# KiCad board pi60_v1.1.kicad_pcb (continued)
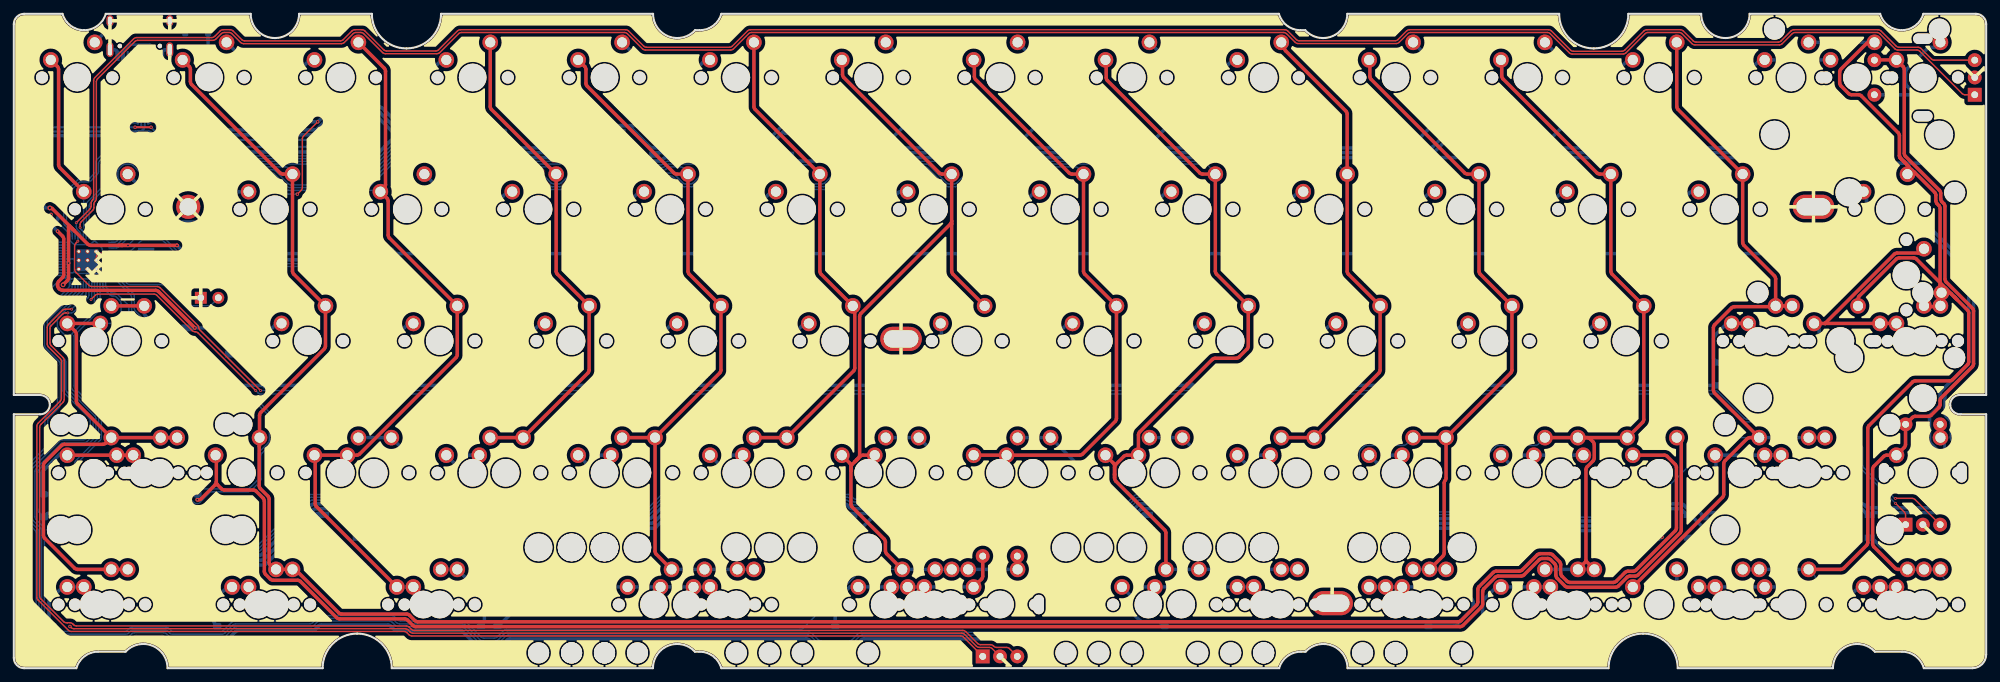
[diagram p0: board, top side]
## Routing (per net, layer and track width the routed paths; a pad name or vN(x,y) marks a point on that pad's centre or on a via; arc(x,y) is an arc through that point) (continued)
SW1_A: length 312.7
  Top w0.2: v2(9.57,63.73) 9.57,64.15 arc(9.61,64.35) 9.73,64.53 11.41,66.21 arc(11.53,66.39) 11.57,66.59 11.57,67.1 arc(11.61,67.3) 11.73,67.48 11.77,67.52 arc(11.89,67.7) 11.93,67.9 11.93,84.81 arc(11.97,85.02) 12.09,85.2 17.49,90.61 arc(17.67,90.73) 17.88,90.77 28.79,90.77 arc(29,90.81) 29.17,90.93 29.99,91.74 arc(30.17,91.86) 30.38,91.9 31.11,91.9 arc(31.31,91.86) 31.49,91.74 32.78,90.45 arc(32.96,90.34) 33.17,90.3 47.37,90.3 arc(47.57,90.34) 47.75,90.45 49.04,91.74 arc(49.22,91.86) 49.43,91.9 50.16,91.9 arc(50.36,91.86) 50.54,91.74 53.29,88.99 arc(53.47,88.88) 53.68,88.84 61.15,88.84 arc(61.35,88.88) 61.53,88.99 64.28,91.74 arc(64.46,91.86) 64.67,91.9 88.26,91.9 arc(88.46,91.86) 88.64,91.74 90.86,89.52 arc(91.04,89.41) 91.25,89.36 103.59,89.36 arc(103.79,89.41) 103.97,89.52 106.19,91.74 arc(106.37,91.86) 106.58,91.9 183.51,91.9 arc(183.71,91.86) 183.89,91.74 185.17,90.46 arc(185.35,90.35) 185.56,90.31 199.78,90.31 arc(199.98,90.35) 200.16,90.46 201.44,91.74 arc(201.62,91.86) 201.83,91.9 221.61,91.9 arc(221.81,91.86) 221.99,91.74 224.79,88.94 arc(224.97,88.83) 225.18,88.79 232.55,88.79 arc(232.75,88.83) 232.93,88.94 235.73,91.74 arc(235.91,91.86) 236.12,91.9 240.66,91.9 arc(240.86,91.86) 241.04,91.74 242.51,90.27 arc(242.69,90.15) 242.9,90.11 255.14,90.11 arc(255.34,90.15) 255.52,90.27 256.99,91.74 arc(257.17,91.86) 257.38,91.9 269.23,91.9 arc(269.44,91.86) 269.62,91.74 271.84,89.52 arc(272.01,89.41) 272.22,89.36 275.01,89.36 arc(275.22,89.32) 275.39,89.2 281.54,83.06 arc(281.72,82.94) 281.92,82.9 SW1.A
  Bottom w0.2: U1.6 10.05,63 arc(10.03,63.1) 9.98,63.17 9.97,63.19 ; 9.69,63.47 9.86,63.29 ; 9.97,63.19 9.86,63.29 ; 9.97,63.19 9.86,63.29 ; 9.86,63.29 9.56,63.59 arc(9.55,63.62) 9.54,63.65 9.54,63.67 arc(9.54,63.69) 9.56,63.71 v2(9.57,63.73)
SW1_B: length 311.2
  Top w0.2: SW1.B 277.49,87.9 arc(277.28,87.94) 277.1,88.06 275.56,89.6 arc(275.38,89.72) 275.17,89.76 272.39,89.76 arc(272.18,89.81) 272,89.92 269.78,92.14 arc(269.6,92.26) 269.4,92.3 257.21,92.3 arc(257.01,92.26) 256.83,92.14 255.36,90.67 arc(255.18,90.55) 254.97,90.51 243.06,90.51 arc(242.86,90.55) 242.68,90.67 241.21,92.14 arc(241.03,92.26) 240.82,92.3 235.95,92.3 arc(235.74,92.26) 235.57,92.14 232.77,89.34 arc(232.59,89.23) 232.38,89.18 225.34,89.18 arc(225.13,89.23) 224.96,89.34 222.16,92.14 arc(221.98,92.26) 221.77,92.3 201.66,92.3 arc(201.45,92.26) 201.28,92.14 200,90.86 arc(199.82,90.75) 199.61,90.7 185.72,90.7 arc(185.51,90.75) 185.34,90.86 184.06,92.14 arc(183.88,92.26) 183.67,92.3 106.41,92.3 arc(106.2,92.26) 106.03,92.14 103.8,89.92 arc(103.63,89.81) 103.42,89.76 91.41,89.76 arc(91.2,89.81) 91.03,89.92 88.81,92.14 arc(88.63,92.26) 88.42,92.3 64.5,92.3 arc(64.29,92.26) 64.12,92.14 61.37,89.39 arc(61.19,89.28) 60.98,89.23 53.84,89.23 arc(53.63,89.28) 53.46,89.39 50.71,92.14 arc(50.53,92.26) 50.32,92.3 49.26,92.3 arc(49.05,92.26) 48.88,92.14 47.59,90.85 arc(47.41,90.74) 47.2,90.69 33.33,90.69 arc(33.12,90.74) 32.95,90.85 31.66,92.14 arc(31.48,92.26) 31.27,92.3 30.21,92.3 arc(30,92.26) 29.83,92.14 29.01,91.33 arc(28.83,91.21) 28.62,91.17 17.71,91.17 arc(17.51,91.12) 17.33,91.01 11.69,85.36 arc(11.57,85.19) 11.53,84.98 11.53,68.07 arc(11.49,67.86) 11.37,67.68 11.33,67.65 arc(11.21,67.47) 11.17,67.26 11.17,66.78 arc(11.13,66.57) 11.01,66.39 v2(9.02,64.4)
  Bottom w0.2: U1.5 9.65,62.71 arc(9.61,62.92) 9.49,63.1 9.18,63.41 arc(9.06,63.59) 9.02,63.8 v2(9.02,64.4)
SW1_S2: length 27.7
  Bottom w0.5: 275.42,82.9 275.05,82.9 arc(274.84,82.94) 274.67,83.06 273.52,84.21 arc(273.4,84.38) 273.36,84.59 273.36,86.21 arc(273.4,86.42) 273.52,86.59 276.52,89.59 arc(276.69,89.71) 276.9,89.75 277.55,89.75 arc(277.76,89.79) 277.94,89.91 278.39,90.36 ; 275.42,82.9 275.78,82.9 ; 275.42,82.9 arc(275.37,82.9) 275.31,82.9 ; 275.78,82.9 276.96,82.9 arc(277.16,82.86) 277.34,82.74 282.56,77.52 ; 275.78,82.9 275.31,82.9 ; 275.31,82.9 SW1.S2
SW2_A: length 281
  Top w0.2: v2(11.15,53.3) 11.77,53.92 arc(11.95,54.03) 12.16,54.08 20.27,54.08 arc(20.48,54.03) 20.66,53.92 25.77,48.8 arc(25.95,48.69) 26.15,48.65 26.21,48.65 arc(26.42,48.6) 26.59,48.49 v2(34.96,40.12) ; v2(271.9,23.84) 273.19,22.54 arc(273.31,22.36) 273.35,22.16 SW2.A
  Bottom w0.2: U1.34 11.25,53.47 arc(11.24,53.4) 11.2,53.35 v2(11.15,53.3) ; v2(271.9,23.84) 271.89,23.84 arc(271.89,23.84) 271.89,23.84 266.91,28.83 arc(266.79,29) 266.75,29.21 266.75,31.65 arc(266.7,31.86) 266.59,32.04 263.18,35.44 arc(263.01,35.56) 262.8,35.6 250.25,35.6 arc(250.05,35.64) 249.87,35.76 246.15,39.48 arc(245.98,39.6) 245.77,39.64 35.67,39.64 arc(35.46,39.68) 35.28,39.8 v2(34.96,40.12)
SW2_B: length 291.6
  Top w0.2: v2(9.25,61.73) 8.94,61.42 arc(8.82,61.24) 8.78,61.03 8.78,57.65 arc(8.82,57.44) 8.94,57.26 10.87,55.33 arc(11.04,55.22) 11.25,55.17 20.73,55.17 arc(20.94,55.13) 21.11,55.02 26.59,49.54 arc(26.68,49.41) 26.71,49.25 arc(26.74,49.09) 26.83,48.96 v2(35.65,40.14) ; SW2.B 274.71,24.39 arc(274.54,24.51) 274.33,24.55 v2(271.89,24.55)
  Bottom w0.2: v2(9.25,61.73) U1.4 ; v2(35.65,40.14) 245.83,40.14 arc(246.04,40.1) 246.22,39.98 250.03,36.16 arc(250.21,36.04) 250.42,36 262.96,36 arc(263.17,35.96) 263.35,35.84 266.99,32.2 arc(267.1,32.03) 267.15,31.82 267.15,29.38 arc(267.19,29.17) 267.31,28.99 271.7,24.6 arc(271.75,24.56) 271.82,24.55 v2(271.89,24.55)
SW3_A: length 190.7
  Top w0.2: SW3.A 137.2,4.5 arc(137.03,4.61) 136.82,4.66 57.5,4.66 arc(57.29,4.7) 57.12,4.82 56.78,5.15 arc(56.61,5.26) 56.4,5.31 8.27,5.31 arc(8.07,5.35) 7.89,5.47 3.56,9.79 arc(3.56,9.79) 3.56,9.79 3.44,9.91 arc(3.36,10.04) 3.33,10.19 3.33,35.01 arc(3.37,35.21) 3.49,35.39 6.72,38.62 arc(6.84,38.8) 6.88,39.01 6.88,44.35 arc(6.84,44.56) 6.72,44.74 4.99,46.47 arc(4.87,46.64) 4.83,46.85 4.83,49.3 arc(4.87,49.51) 4.99,49.68 7.04,51.74 arc(7.22,51.86) 7.43,51.9 v2(8.34,51.9)
  Bottom w0.2: U1.36 10.45,54.24 arc(10.41,54.03) 10.29,53.85 v2(8.34,51.9)
SW3_B: length 195.1
  Top w0.2: v2(7.8,51.36) 7.46,51.36 arc(7.25,51.32) 7.07,51.2 5.39,49.52 arc(5.27,49.34) 5.23,49.13 5.23,47.02 arc(5.27,46.81) 5.39,46.63 7.12,44.9 arc(7.24,44.73) 7.28,44.52 7.28,38.84 arc(7.24,38.63) 7.12,38.46 3.89,35.22 arc(3.77,35.05) 3.73,34.84 3.73,10.42 arc(3.77,10.21) 3.89,10.04 7.21,6.71 arc(7.36,6.61) 7.54,6.57 7.74,6.57 8.11,6.58 arc(8.32,6.53) 8.49,6.42 8.64,6.27 arc(8.82,6.15) 9.03,6.11 56.73,6.11 arc(56.94,6.06) 57.12,5.95 57.45,5.62 arc(57.62,5.5) 57.83,5.46 137.15,5.46 arc(137.36,5.41) 137.54,5.3 139.27,3.56 arc(139.45,3.44) 139.66,3.4 141.14,3.4 arc(141.35,3.36) 141.53,3.24 141.61,3.16 arc(141.78,3.04) 141.99,3 143.48,3 arc(143.68,2.96) 143.86,2.84 SW3.B
  Bottom w0.2: v2(7.8,51.36) 8.29,51.36 arc(8.49,51.4) 8.67,51.52 10.69,53.54 arc(10.81,53.72) 10.85,53.93 U1.35
V_1: length 12.2
  Bottom w0.5: K104.1 101.75,29.63 arc(101.87,29.46) 101.91,29.25 101.91,28.26 ; D49.2 102.07,26.28 arc(101.95,26.46) 101.91,26.67 101.91,27.91 ; K56.1 103.64,30.79 arc(103.43,30.75) 103.25,30.63 102.07,29.44 arc(101.95,29.27) 101.91,29.06 101.91,28.38 ; 101.91,27.91 101.91,28.26 ; 101.91,27.91 101.91,28.38 ; 101.91,28.26 arc(101.91,28.32) 101.91,28.38
X_1: length 10.9
  Bottom w0.5: K54.1 65.54,30.79 arc(65.33,30.75) 65.15,30.63 63.87,29.35 ; D47.2 63.97,26.28 arc(63.85,26.46) 63.81,26.67 63.81,29.19 ; 63.87,29.35 arc(63.83,29.34) 63.81,29.38 ; 63.87,29.35 arc(63.82,29.28) 63.81,29.19 ; 63.81,29.19 63.81,29.38 ; K102.1 63.74,29.54 arc(63.79,29.47) 63.81,29.38
Z_2: length 14.7
  Bottom w0.5: K101.2 K53.2 58.31,29.57 arc(58.43,29.4) 58.47,29.19 58.47,25.86 arc(58.43,25.66) 58.31,25.48 D46.2
Net-(D1-A): length 13.7
  Bottom w0.5: D1.2 13.38,91.95 arc(13.18,91.91) 13,91.79 K1.2
Net-(D2-A): length 10
  Bottom w0.5: D2.2 34.5,82.63 arc(34.61,82.81) 34.66,83.01 34.66,86.34 arc(34.61,86.55) 34.5,86.72 K2.2
Net-(D3-A): length 6.6
  Bottom w0.5: 42.77,87.94 40.96,86.13 arc(40.84,85.95) 40.8,85.74 40.8,83.01 arc(40.84,82.81) 40.96,82.63 D3.2
Net-(D4-A): length 6.6
  Bottom w0.5: D4.2 60.01,82.63 arc(59.89,82.81) 59.85,83.01 59.85,85.74 arc(59.89,85.95) 60.01,86.13 61.82,87.94
Net-(D5-A): length 10
  Bottom w0.5: D5.2 91.65,82.63 arc(91.76,82.81) 91.81,83.01 91.81,86.34 arc(91.76,86.55) 91.65,86.72 K5.2
Net-(D6-A): length 6.6
  Bottom w0.5: D6.2 98.11,82.63 arc(97.99,82.81) 97.95,83.01 97.95,85.74 arc(97.99,85.95) 98.11,86.13 99.92,87.94
Net-(D7-A): length 10
  Bottom w0.5: D7.2 129.75,82.63 arc(129.86,82.81) 129.91,83.01 129.91,86.34 arc(129.86,86.55) 129.75,86.72 K7.2
Net-(D8-A): length 10
  Bottom w0.5: K8.2 148.8,86.72 arc(148.91,86.55) 148.96,86.34 148.96,83.01 arc(148.91,82.81) 148.8,82.63 D8.2
Net-(D9-A): length 10
  Bottom w0.5: K9.2 167.85,86.72 arc(167.96,86.55) 168.01,86.34 168.01,83.01 arc(167.96,82.81) 167.85,82.63 D9.2
Net-(D10-A): length 6.6
  Bottom w0.5: D10.2 174.31,82.63 arc(174.19,82.81) 174.15,83.01 174.15,85.74 arc(174.19,85.95) 174.31,86.13 176.12,87.94
Net-(D11-A): length 10
  Bottom w0.5: K11.2 205.95,86.72 arc(206.06,86.55) 206.11,86.34 206.11,83.01 arc(206.06,82.81) 205.95,82.63 D11.2
Net-(D12-A): length 10
  Bottom w0.5: K12.2 225,86.72 arc(225.11,86.55) 225.16,86.34 225.16,83.01 arc(225.11,82.81) 225,82.63 D12.2
Net-(D13-A): length 6.6
  Bottom w0.5: D13.2 231.46,82.63 arc(231.34,82.81) 231.3,83.01 231.3,85.74 arc(231.34,85.95) 231.46,86.13 233.27,87.94
Net-(D16-A): length 16.1
  Bottom w0.5: 29.26,63.24 28.16,64.34 arc(27.98,64.46) 27.77,64.5 23.58,64.5 arc(23.37,64.54) 23.19,64.66 17.27,70.58 arc(17.27,70.58) 17.27,70.58 16.45,71.4
Net-(D17-A): length 7.8
  Bottom w0.5: D17.2 31.43,63.58 arc(31.31,63.76) 31.27,63.96 31.27,67.61 arc(31.31,67.82) 31.43,68 32.17,68.73 arc(32.34,68.85) 32.55,68.89 K18.1
Net-(D18-A): length 10
  Bottom w0.5: D18.2 63.07,63.58 arc(63.19,63.76) 63.23,63.96 63.23,67.29 arc(63.19,67.5) 63.07,67.67 K19.2
Net-(D19-A): length 6.6
  Bottom w0.5: D19.2 69.53,63.58 arc(69.41,63.76) 69.37,63.96 69.37,66.69 arc(69.41,66.9) 69.53,67.08 71.34,68.89
Net-(D20-A): length 6.6
  Bottom w0.5: D20.2 88.58,63.58 arc(88.46,63.76) 88.42,63.96 88.42,66.69 arc(88.46,66.9) 88.58,67.08 90.39,68.89
Net-(D21-A): length 6.6
  Bottom w0.5: 109.44,68.89 107.63,67.08 arc(107.51,66.9) 107.47,66.69 107.47,63.96 arc(107.51,63.76) 107.63,63.58 D21.2
Net-(D22-A): length 7.6
  Bottom w0.5: D22.2 126.68,63.58 arc(126.56,63.76) 126.52,63.96 126.52,67.27 arc(126.56,67.47) 126.68,67.65 127.76,68.73 arc(127.94,68.85) 128.15,68.89 K23.1
Net-(D23-A): length 6.6
  Bottom w0.5: 147.54,68.89 145.73,67.08 arc(145.61,66.9) 145.57,66.69 145.57,63.96 arc(145.61,63.76) 145.73,63.58 D23.2
Net-(D24-A): length 6.6
  Bottom w0.5: 166.59,68.89 164.78,67.08 arc(164.66,66.9) 164.62,66.69 164.62,63.96 arc(164.66,63.76) 164.78,63.58 D24.2
Net-(D25-A): length 6.6
  Bottom w0.5: D25.2 183.83,63.58 arc(183.71,63.76) 183.67,63.96 183.67,66.69 arc(183.71,66.9) 183.83,67.08 185.64,68.89
Net-(D26-A): length 6.6
  Bottom w0.5: 204.69,68.89 202.88,67.08 arc(202.76,66.9) 202.72,66.69 202.72,63.96 arc(202.76,63.76) 202.88,63.58 D26.2
Net-(D27-A): length 6.6
  Bottom w0.5: D27.2 221.93,63.58 arc(221.81,63.76) 221.77,63.96 221.77,66.69 arc(221.81,66.9) 221.93,67.08 223.74,68.89
Net-(D28-A): length 7.6
  Bottom w0.5: K29.1 242.53,68.89 arc(242.32,68.85) 242.14,68.73 240.98,67.57 arc(240.86,67.39) 240.82,67.19 240.82,63.96 arc(240.86,63.76) 240.98,63.58 D28.2
Net-(D29-A): length 6.7
  Bottom w0.5: D29.2 267.55,65.65 arc(267.67,65.83) 267.71,66.04 267.71,68.89
Net-(D31-A): length 6.6
  Bottom w0.5: 38,49.84 36.19,48.03 arc(36.08,47.85) 36.03,47.64 36.03,44.91 arc(36.08,44.71) 36.19,44.53 D31.2
Net-(D32-A): length 6.6
  Bottom w0.5: 57.05,49.84 55.24,48.03 arc(55.13,47.85) 55.08,47.64 55.08,44.91 arc(55.13,44.71) 55.24,44.53 D32.2
Net-(D33-A): length 6.6
  Bottom w0.5: D33.2 74.29,44.53 arc(74.18,44.71) 74.13,44.91 74.13,47.64 arc(74.18,47.85) 74.29,48.03 76.1,49.84
Net-(D34-A): length 6.6
  Bottom w0.5: D34.2 93.34,44.53 arc(93.23,44.71) 93.18,44.91 93.18,47.64 arc(93.23,47.85) 93.34,48.03 95.15,49.84
Net-(D35-A): length 6.6
  Bottom w0.5: 114.2,49.84 112.39,48.03 arc(112.28,47.85) 112.23,47.64 112.23,44.91 arc(112.28,44.71) 112.39,44.53 D35.2
Net-(D36-A): length 6.5
  Bottom w0.5: D36.2 133.87,46.28 arc(133.99,46.45) 134.03,46.66 134.03,49.74
Net-(D37-A): length 6.6
  Bottom w0.5: D37.2 150.49,44.53 arc(150.38,44.71) 150.33,44.91 150.33,47.65 arc(150.38,47.86) 150.49,48.03 152.3,49.84
Net-(D38-A): length 6.6
  Bottom w0.5: D38.2 169.54,44.53 arc(169.43,44.71) 169.38,44.91 169.38,47.64 arc(169.43,47.85) 169.54,48.03 171.35,49.84
Net-(D39-A): length 6.6
  Bottom w0.5: 190.4,49.84 188.59,48.03 arc(188.48,47.85) 188.43,47.64 188.43,44.91 arc(188.48,44.71) 188.59,44.53 D39.2
Net-(D40-A): length 6.6
  Bottom w0.5: D40.2 207.64,44.53 arc(207.53,44.71) 207.48,44.91 207.48,47.64 arc(207.53,47.85) 207.64,48.03 209.45,49.84
Net-(D41-A): length 6.6
  Bottom w0.5: D41.2 226.69,44.53 arc(226.58,44.71) 226.53,44.91 226.53,47.64 arc(226.58,47.85) 226.69,48.03 228.5,49.84
Net-(D57-A): length 9.1
  Bottom w0.4: 278.99,32.73 278.99,27.51 arc(279.04,27.3) 279.15,27.13 280.98,25.3 arc(281.16,25.18) 281.37,25.14 D57.2
Net-(D66-A): length 8.6
  Bottom w0.5: D66.2 240.45,6.96 arc(240.33,7.14) 240.29,7.34 K88.2
Net-(D69-DOUT): length 25.7
  Bottom w0.5: 23.51,18.91 24.23,18.91 arc(24.44,18.87) 24.62,18.75 28.31,15.06 arc(28.48,14.94) 28.69,14.9 29.07,14.9 36.06,14.9 arc(36.26,14.95) 36.44,15.06 43.58,22.2 arc(43.76,22.32) 43.96,22.36 44.55,22.36
Net-(D70-DOUT): length 19.9
  Bottom w0.5: 68.61,22.11 68.29,22.11 arc(68.08,22.07) 67.9,21.95 65.73,19.78 arc(65.56,19.67) 65.35,19.63 50.9,19.63 arc(50.69,19.58) 50.52,19.47 49.96,18.91
Net-(D71-DOUT): length 24.1
  Bottom w0.5: 95.15,22.36 94.95,22.36 arc(94.77,22.32) 94.61,22.22 92.78,20.39 arc(92.61,20.28) 92.4,20.24 83.31,20.24 arc(83.1,20.28) 82.93,20.39 81.82,21.5 arc(81.64,21.62) 81.43,21.66 76.49,21.66 arc(76.28,21.62) 76.1,21.5 73.51,18.91
Net-(D72-DOUT): length 16.8
  Bottom w0.5: 100.55,18.91 101.72,20.08 arc(101.9,20.2) 102.1,20.24 113.24,20.24 arc(113.45,20.28) 113.63,20.4 115.45,22.22 arc(115.61,22.32) 115.79,22.36 115.99,22.36
Net-(D73-DOUT): length 23.5
  Bottom w0.5: 121.14,18.91 123.73,21.5 arc(123.91,21.62) 124.11,21.66 131.42,21.66 arc(131.63,21.62) 131.81,21.5 132.92,20.39 arc(133.09,20.28) 133.3,20.24 138.83,20.24 arc(139.04,20.28) 139.21,20.39 141.02,22.2 arc(141.2,22.32) 141.41,22.36 142.15,22.36
Net-(D74-DOUT): length 19.7
  Bottom w0.5: 146.99,18.91 149.58,21.5 arc(149.76,21.62) 149.97,21.66 150.48,21.66 arc(150.69,21.62) 150.87,21.5 151.97,20.4 arc(152.15,20.28) 152.36,20.24 160.86,20.24 arc(161.07,20.28) 161.25,20.4 163.05,22.2 arc(163.23,22.32) 163.44,22.36 164.16,22.36
Net-(D75-DOUT): length 18
  Bottom w0.5: 169.01,18.91 170.17,20.08 arc(170.35,20.2) 170.56,20.24 182.89,20.24 arc(183.1,20.28) 183.28,20.4 185.09,22.21 arc(185.26,22.32) 185.46,22.36 185.68,22.36
Net-(D76-DOUT): length 22.5
  Bottom w0.5: 191.04,18.91 193.38,21.25 arc(193.56,21.37) 193.77,21.41 195.98,21.41 arc(196.19,21.37) 196.37,21.25 197.22,20.4 arc(197.4,20.28) 197.61,20.24 208.49,20.24 arc(208.7,20.28) 208.88,20.4 210.7,22.22 arc(210.86,22.32) 211.04,22.36 211.24,22.36
Net-(D77-DOUT): length 21.6
  Bottom w0.5: 216.63,18.91 217.44,19.72 arc(217.61,19.83) 217.82,19.88 233.54,19.88 arc(233.74,19.92) 233.92,20.03 236.09,22.2 arc(236.26,22.32) 236.47,22.36 236.91,22.36
Net-(D78-DIN): length 40.8
  Bottom w0.5: 26.82,78.32 27.16,77.98 arc(27.34,77.87) 27.55,77.82 43.51,77.82 arc(43.72,77.87) 43.9,77.98 46.18,80.26 arc(46.35,80.38) 46.56,80.42 52.58,80.42 arc(52.79,80.38) 52.97,80.26 55.35,77.88 arc(55.52,77.77) 55.73,77.72 65.39,77.72
Net-(D79-DIN): length 18
  Bottom w0.5: 87.5,77.64 87.15,77.64 arc(86.94,77.59) 86.77,77.48 83.97,74.68 arc(83.8,74.57) 83.59,74.52 70.79,74.52
Net-(D80-DIN): length 20.7
  Bottom w0.5: 112.28,77.72 111.58,77.72 arc(111.37,77.68) 111.2,77.57 108.31,74.68 arc(108.14,74.57) 107.93,74.52 92.81,74.52
Net-(D81-DIN): length 19.7
  Bottom w0.5: 117.15,74.52 131.74,74.52 arc(131.95,74.57) 132.12,74.68 135.02,77.58 arc(135.18,77.69) 135.37,77.72 135.56,77.72
Net-(D82-DIN): length 18.9
  Bottom w0.5: 155.65,76.78 153.55,74.68 arc(153.38,74.57) 153.17,74.52 140.96,74.52 ; 155.65,76.78 155.9,77.03 ; 155.65,76.78 155.99,77.12 ; 156.48,77.58 156.47,77.58 arc(156.46,77.58) 156.45,77.58 155.9,77.03 ; 155.9,77.03 arc(155.94,77.07) 155.99,77.12 ; 157.35,77.72 156.82,77.72 arc(156.61,77.68) 156.44,77.57 155.99,77.12
Net-(D83-DIN): length 21.3
  Bottom w0.5: 162.3,74.52 178.17,74.52 arc(178.38,74.57) 178.55,74.68 181.45,77.58 arc(181.61,77.69) 181.8,77.73 181.82,77.73 arc(181.99,77.69) 182.12,77.6 182.25,77.47
Net-(D84-DIN): length 23
  Bottom w0.5: 209.04,77.47 208.91,77.6 arc(208.77,77.69) 208.61,77.73 208.58,77.73 arc(208.39,77.69) 208.23,77.58 205.33,74.68 arc(205.16,74.57) 204.95,74.52 187.4,74.52
Net-(D85-DIN): length 23.1
  Bottom w0.5: 235.9,77.47 235.77,77.6 arc(235.63,77.69) 235.47,77.73 235.45,77.73 arc(235.26,77.69) 235.1,77.58 232.2,74.68 arc(232.03,74.57) 231.82,74.52 214.19,74.52
Net-(D86-DIN): length 23.7
  Bottom w0.5: 263.03,77.72 262.83,77.72 arc(262.64,77.69) 262.48,77.58 259.01,74.11 arc(258.83,73.99) 258.63,73.95 253.32,73.95 arc(253.11,73.99) 252.94,74.11 252.68,74.37 arc(252.51,74.48) 252.3,74.52 241.05,74.52
Net-(D87-DIN): length 82
  Bottom w0.5: 282.67,19.76 283.55,20.65 ; 282.67,19.76 282.42,19.51 ; 282.67,19.76 arc(282.71,19.8) 282.75,19.84 ; 282.75,19.84 283.55,20.64 arc(283.66,20.82) 283.7,21.02 283.7,29.16 arc(283.66,29.37) 283.55,29.55 280.13,32.97 arc(280.01,33.14) 279.97,33.35 279.97,35.46 arc(279.92,35.67) 279.81,35.84 279.2,36.45 arc(279.09,36.62) 279.04,36.83 279.04,39.4 arc(279.09,39.61) 279.2,39.78 283.02,43.6 arc(283.14,43.78) 283.18,43.98 283.18,57.17 arc(283.14,57.38) 283.02,57.56 274.44,66.13 arc(274.32,66.31) 274.28,66.52 274.28,67.45 arc(274.24,67.66) 274.12,67.83 268.34,73.61 arc(268.22,73.79) 268.18,74 268.18,74.27 ; 282.75,19.84 282.42,19.51 ; 282.42,19.51 280.57,17.66 arc(280.39,17.54) 280.18,17.5 270.06,17.5 arc(269.86,17.54) 269.68,17.66 268.43,18.91
Net-(D88-DIN): length 24.2
  Bottom w0.5: 263.28,22.11 262.13,22.11 arc(262.13,22.11) 262.13,22.11 257.65,17.63 arc(257.48,17.52) 257.27,17.47 249.5,17.47 arc(249.29,17.43) 249.11,17.32 248.76,16.96 arc(248.58,16.84) 248.37,16.8 246.18,16.8 arc(245.97,16.84) 245.79,16.96 244.05,18.7 arc(243.88,18.82) 243.67,18.86 D89.2
Net-(R5-Pad2): length 38.6
  Top w0.5: v1(6.32,63.18) 7.05,62.45 arc(7.16,62.27) 7.21,62.07 7.21,56.87 arc(7.16,56.66) 7.05,56.49 6.48,55.92 arc(6.36,55.74) 6.32,55.53 6.32,55.32 arc(6.36,55.11) 6.48,54.93 6.63,54.78 arc(6.8,54.67) 7.01,54.63 20.5,54.63 arc(20.71,54.58) 20.88,54.47 v1(26.16,49.19)
  Bottom w0.5: R5.2 5.4,64.03 arc(5.46,64.02) 5.51,63.99 v1(6.32,63.18) ; SW4.1 26.16,49.2 arc(26.16,49.2) 26.16,49.2 v1(26.16,49.19) 25.06,49.19
Net-(U1-USB_DM): length 3.2
  Bottom w0.2: U1.46 4.55,57.57 arc(4.37,57.53) 4.21,57.43 R2.2
Net-(U1-USB_DP): length 3.2
  Bottom w0.2: R1.2 4.2,58.1 arc(4.35,58) 4.53,57.97 U1.47

## Copper pours and planes (outline as drawn; the poured copper is in the pictures)
GND on Top, Bottom: 285.38,-0.33 -0.37,-0.33 -0.37,94.92 285.38,94.92
Net-(D19-A) on Bottom: 70.33,67.53 70.5,67.67 70.65,67.78 70.79,67.84 70.93,67.88 71.07,67.89 71.22,67.88 71.37,67.85 71.53,67.83 71.71,67.8 71.9,67.77 72.54,69.08 71.21,69.67 71.03,69.48 70.9,69.3 70.8,69.13 70.71,68.97 70.64,68.81 70.55,68.65 70.46,68.48 70.34,68.3 70.18,68.1 69.98,67.88

## Text on the board
B.Mask: RUN | BOOTSEL | USB | I2C | R0 C12 | R1 C0 | R0 C0 | R2 C15 | R3 C15 | R4 C15 | R0 C1 | R3 C1 | R4 C1 | R1 C1 | R2 C1 | R3 C2 | R0 C2 | R1 C2 | R4 C2 | R2 C2 | R3 C3 | R0 C3 | R1 C3 | R2 C3 | R3 C4 | R0 C4 | R1 C4 | R3 C5 | R0 C5 | R1 C5 | R4 C4 | R2 C5 | R3 C6 | R0 C6 | R1 C6 | R2 C6 | R3 C7 | R0 C7 | R1 C7 | R4 C6 | R2 C7 | R3 C8 | R0 C8 | R1 C8 | R4 C8 | R2 C8 | R3 C9 | R0 C9 | R1 C9 | R4 C10 | R2 C9 | R3 C10 | R0 C10 | R1 C10 | R2 C10 | R0 C11 | R4 C11 | R3 C11 | R1 C11 | R2 C11 | R4 C12 | R1 C12 | R4 C13 | R2 C12 | R3 C12 | R1 C13 | R0 C13 | R2 C13 | R3 C14 | R4 C14 | pi60 v1.1 by 1upkeyboards
F.Mask: 2 | 2.25 | 10 | 6.25 / 2.25 | 7 / 6 / 3 / 2.75 | 2.75 | 3
